# Altium PCB PCB22.PcbDoc (part 1 of 16) (continued)
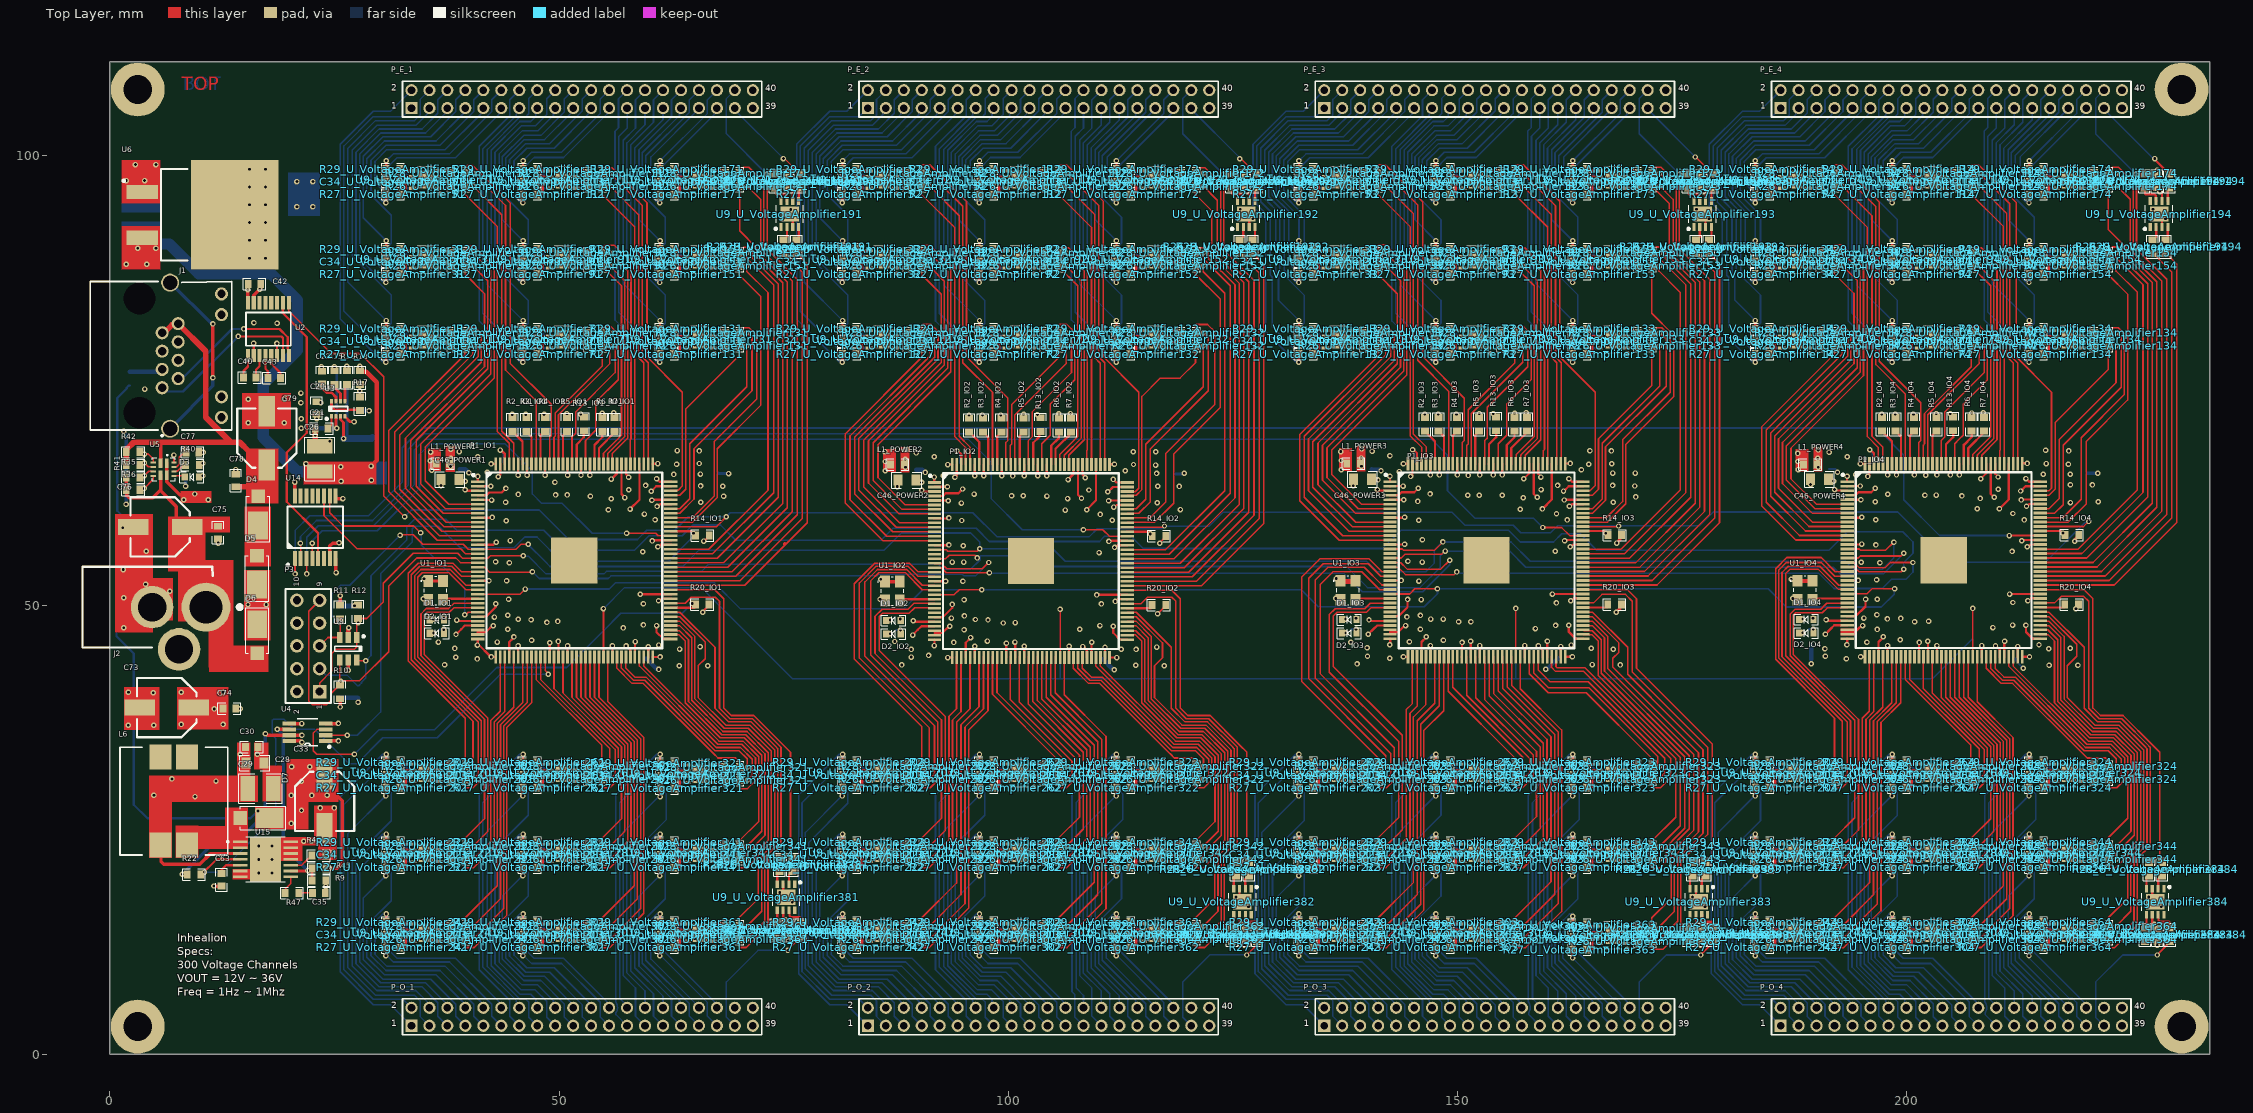
[diagram p0: Top Layer view]
## Design rules (kind name [scope] priority, off if disabled: settings) (continued)
RoomDefinition U_VoltageAmplifier212 [InComponentClass('U_VoltageAmplifier212')] p55: confinementstyle=ConfineIn formatcopy=TRUE lockcomponents=FALSE outline 91.218,33.67 80.55,33.67 80.55,28.59 91.218,28.59
RoomDefinition U_VoltageAmplifier182 [InComponentClass('U_VoltageAmplifier182')] p56: confinementstyle=ConfineIn formatcopy=TRUE lockcomponents=FALSE outline 121.698,99.71 111.03,99.71 111.03,94.63 121.698,94.63
RoomDefinition U_VoltageAmplifier162 [InComponentClass('U_VoltageAmplifier162')] p57: confinementstyle=ConfineIn formatcopy=TRUE lockcomponents=FALSE outline 121.698,90.82 111.03,90.82 111.03,85.74 121.698,85.74
RoomDefinition U_VoltageAmplifier142 [InComponentClass('U_VoltageAmplifier142')] p58: confinementstyle=ConfineIn formatcopy=TRUE lockcomponents=FALSE outline 121.698,81.93 111.03,81.93 111.03,76.85 121.698,76.85
RoomDefinition U_VoltageAmplifier122 [InComponentClass('U_VoltageAmplifier122')] p59: confinementstyle=ConfineIn formatcopy=TRUE lockcomponents=FALSE outline 106.458,99.71 95.79,99.71 95.79,94.63 106.458,94.63
RoomDefinition U_VoltageAmplifier102 [InComponentClass('U_VoltageAmplifier102')] p60: confinementstyle=ConfineIn formatcopy=TRUE lockcomponents=FALSE outline 106.458,90.82 95.79,90.82 95.79,85.74 106.458,85.74
RoomDefinition U_VoltageAmplifier82 [InComponentClass('U_VoltageAmplifier82')] p61: confinementstyle=ConfineIn formatcopy=TRUE lockcomponents=FALSE outline 106.458,81.93 95.79,81.93 95.79,76.85 106.458,76.85
RoomDefinition U_VoltageAmplifier62 [InComponentClass('U_VoltageAmplifier62')] p62: confinementstyle=ConfineIn formatcopy=TRUE lockcomponents=FALSE outline 91.218,99.71 80.55,99.71 80.55,94.63 91.218,94.63
RoomDefinition U_VoltageAmplifier42 [InComponentClass('U_VoltageAmplifier42')] p63: confinementstyle=ConfineIn formatcopy=TRUE lockcomponents=FALSE outline 91.218,90.82 80.55,90.82 80.55,85.74 91.218,85.74
RoomDefinition POWER4 [InComponentClass('POWER4')] p64: confinementstyle=ConfineIn formatcopy=TRUE lockcomponents=FALSE outline 188.5,42.306 221.52,42.306 221.52,67.96 188.5,67.96
RoomDefinition POWER3 [InComponentClass('POWER3')] p65: confinementstyle=ConfineIn formatcopy=TRUE lockcomponents=FALSE outline 137.7,42.306 170.72,42.306 170.72,67.96 137.7,67.96
RoomDefinition POWER1 [InComponentClass('POWER1')] p66: confinementstyle=ConfineIn formatcopy=TRUE lockcomponents=FALSE outline 36.1,42.306 69.12,42.306 69.12,67.96 36.1,67.96
RoomDefinition IO4 [InComponentClass('IO4')] p67: confinementstyle=ConfineIn formatcopy=TRUE lockcomponents=FALSE outline 186.468,43.322 219.742,43.322 219.742,71.77 186.468,71.77
RoomDefinition IO3 [InComponentClass('IO3')] p68: confinementstyle=ConfineIn formatcopy=TRUE lockcomponents=FALSE outline 135.668,43.322 168.942,43.322 168.942,71.77 135.668,71.77
RoomDefinition IO1 [InComponentClass('IO1')] p69: confinementstyle=ConfineIn formatcopy=TRUE lockcomponents=FALSE outline 34.068,43.322 67.342,43.322 67.342,71.516 34.068,71.516
RoomDefinition U_VoltageAmplifier321 [InComponentClass('U_VoltageAmplifier321')] p70: confinementstyle=ConfineIn formatcopy=FALSE lockcomponents=FALSE outline 70.898,33.67 60.23,33.67 60.23,28.59 70.898,28.59
RoomDefinition U_VoltageAmplifier331 [InComponentClass('U_VoltageAmplifier331')] p71: confinementstyle=ConfineIn formatcopy=FALSE lockcomponents=FALSE outline 70.898,33.67 60.23,33.67 60.23,28.59 70.898,28.59
RoomDefinition U_VoltageAmplifier231 [InComponentClass('U_VoltageAmplifier231')] p72: confinementstyle=ConfineIn formatcopy=FALSE lockcomponents=FALSE outline 40.418,24.78 29.75,24.78 29.75,19.7 40.418,19.7
RoomDefinition U_VoltageAmplifier381 [InComponentClass('U_VoltageAmplifier381')] p73: confinementstyle=ConfineIn formatcopy=FALSE lockcomponents=FALSE outline 72.93,22.748 72.93,12.08 78.01,12.08 78.01,22.748
RoomDefinition U_VoltageAmplifier361 [InComponentClass('U_VoltageAmplifier361')] p74: confinementstyle=ConfineIn formatcopy=FALSE lockcomponents=FALSE outline 70.898,15.89 60.23,15.89 60.23,10.81 70.898,10.81
RoomDefinition U_VoltageAmplifier341 [InComponentClass('U_VoltageAmplifier341')] p75: confinementstyle=ConfineIn formatcopy=FALSE lockcomponents=FALSE outline 70.898,24.78 60.23,24.78 60.23,19.7 70.898,19.7
RoomDefinition U_VoltageAmplifier301 [InComponentClass('U_VoltageAmplifier301')] p76: confinementstyle=ConfineIn formatcopy=FALSE lockcomponents=FALSE outline 55.658,15.89 44.99,15.89 44.99,10.81 55.658,10.81
RoomDefinition U_VoltageAmplifier281 [InComponentClass('U_VoltageAmplifier281')] p77: confinementstyle=ConfineIn formatcopy=FALSE lockcomponents=FALSE outline 55.658,24.78 44.99,24.78 44.99,19.7 55.658,19.7
RoomDefinition U_VoltageAmplifier241 [InComponentClass('U_VoltageAmplifier241')] p78: confinementstyle=ConfineIn formatcopy=FALSE lockcomponents=FALSE outline 40.418,15.89 29.75,15.89 29.75,10.81 40.418,10.81
RoomDefinition U_VoltageAmplifier221 [InComponentClass('U_VoltageAmplifier221')] p79: confinementstyle=ConfineIn formatcopy=FALSE lockcomponents=FALSE outline 40.418,24.78 29.75,24.78 29.75,19.7 40.418,19.7
RoomDefinition U_VoltageAmplifier201 [InComponentClass('U_VoltageAmplifier201')] p80: confinementstyle=ConfineIn formatcopy=FALSE lockcomponents=FALSE outline 40.418,33.67 29.75,33.67 29.75,28.59 40.418,28.59
RoomDefinition U_VoltageAmplifier371 [InComponentClass('U_VoltageAmplifier371')] p81: confinementstyle=ConfineIn formatcopy=FALSE lockcomponents=FALSE outline 70.898,15.89 60.23,15.89 60.23,10.81 70.898,10.81
RoomDefinition U_VoltageAmplifier351 [InComponentClass('U_VoltageAmplifier351')] p82: confinementstyle=ConfineIn formatcopy=FALSE lockcomponents=FALSE outline 70.898,24.78 60.23,24.78 60.23,19.7 70.898,19.7
RoomDefinition U_VoltageAmplifier311 [InComponentClass('U_VoltageAmplifier311')] p83: confinementstyle=ConfineIn formatcopy=FALSE lockcomponents=FALSE outline 55.658,15.89 44.99,15.89 44.99,10.81 55.658,10.81
RoomDefinition U_VoltageAmplifier291 [InComponentClass('U_VoltageAmplifier291')] p84: confinementstyle=ConfineIn formatcopy=FALSE lockcomponents=FALSE outline 55.658,24.78 44.99,24.78 44.99,19.7 55.658,19.7
RoomDefinition U_VoltageAmplifier271 [InComponentClass('U_VoltageAmplifier271')] p85: confinementstyle=ConfineIn formatcopy=FALSE lockcomponents=FALSE outline 55.658,33.67 44.99,33.67 44.99,28.59 55.658,28.59
RoomDefinition U_VoltageAmplifier251 [InComponentClass('U_VoltageAmplifier251')] p86: confinementstyle=ConfineIn formatcopy=FALSE lockcomponents=FALSE outline 40.418,15.89 29.75,15.89 29.75,10.81 40.418,10.81
RoomDefinition U_VoltageAmplifier211 [InComponentClass('U_VoltageAmplifier211')] p87: confinementstyle=ConfineIn formatcopy=FALSE lockcomponents=FALSE outline 40.418,33.67 29.75,33.67 29.75,28.59 40.418,28.59
RoomDefinition U_VoltageAmplifier81 [InComponentClass('U_VoltageAmplifier81')] p88: confinementstyle=ConfineIn formatcopy=FALSE lockcomponents=FALSE outline 55.658,81.93 44.99,81.93 44.99,76.85 55.658,76.85
RoomDefinition U_VoltageAmplifier101 [InComponentClass('U_VoltageAmplifier101')] p89: confinementstyle=ConfineIn formatcopy=FALSE lockcomponents=FALSE outline 55.658,90.82 44.99,90.82 44.99,85.74 55.658,85.74
RoomDefinition U_VoltageAmplifier141 [InComponentClass('U_VoltageAmplifier141')] p90: confinementstyle=ConfineIn formatcopy=FALSE lockcomponents=FALSE outline 70.898,81.93 60.23,81.93 60.23,76.85 70.898,76.85
RoomDefinition U_VoltageAmplifier161 [InComponentClass('U_VoltageAmplifier161')] p91: confinementstyle=ConfineIn formatcopy=FALSE lockcomponents=FALSE outline 70.898,90.82 60.23,90.82 60.23,85.74 70.898,85.74
RoomDefinition U_VoltageAmplifier181 [InComponentClass('U_VoltageAmplifier181')] p92: confinementstyle=ConfineIn formatcopy=FALSE lockcomponents=FALSE outline 70.898,99.71 60.23,99.71 60.23,94.63 70.898,94.63
RoomDefinition U_VoltageAmplifier21 [InComponentClass('U_VoltageAmplifier21')] p93: confinementstyle=ConfineIn formatcopy=FALSE lockcomponents=FALSE outline 40.418,81.93 29.75,81.93 29.75,76.85 40.418,76.85
RoomDefinition U_VoltageAmplifier41 [InComponentClass('U_VoltageAmplifier41')] p94: confinementstyle=ConfineIn formatcopy=FALSE lockcomponents=FALSE outline 40.418,90.82 29.75,90.82 29.75,85.74 40.418,85.74
RoomDefinition U_VoltageAmplifier61 [InComponentClass('U_VoltageAmplifier61')] p95: confinementstyle=ConfineIn formatcopy=FALSE lockcomponents=FALSE outline 40.418,99.71 29.75,99.71 29.75,94.63 40.418,94.63
RoomDefinition U_VoltageAmplifier71 [InComponentClass('U_VoltageAmplifier71')] p96: confinementstyle=ConfineIn formatcopy=FALSE lockcomponents=FALSE outline 55.658,81.93 44.99,81.93 44.99,76.85 55.658,76.85
RoomDefinition U_VoltageAmplifier111 [InComponentClass('U_VoltageAmplifier111')] p97: confinementstyle=ConfineIn formatcopy=FALSE lockcomponents=FALSE outline 55.658,99.71 44.99,99.71 44.99,94.63 55.658,94.63
RoomDefinition U_VoltageAmplifier91 [InComponentClass('U_VoltageAmplifier91')] p98: confinementstyle=ConfineIn formatcopy=FALSE lockcomponents=FALSE outline 55.658,90.82 44.99,90.82 44.99,85.74 55.658,85.74
RoomDefinition U_VoltageAmplifier131 [InComponentClass('U_VoltageAmplifier131')] p99: confinementstyle=ConfineIn formatcopy=FALSE lockcomponents=FALSE outline 70.898,81.93 60.23,81.93 60.23,76.85 70.898,76.85
RoomDefinition U_VoltageAmplifier151 [InComponentClass('U_VoltageAmplifier151')] p100: confinementstyle=ConfineIn formatcopy=FALSE lockcomponents=FALSE outline 70.898,90.82 60.23,90.82 60.23,85.74 70.898,85.74
RoomDefinition U_VoltageAmplifier171 [InComponentClass('U_VoltageAmplifier171')] p101: confinementstyle=ConfineIn formatcopy=FALSE lockcomponents=FALSE outline 70.898,99.71 60.23,99.71 60.23,94.63 70.898,94.63
RoomDefinition U_VoltageAmplifier191 [InComponentClass('U_VoltageAmplifier191')] p102: confinementstyle=ConfineIn formatcopy=FALSE lockcomponents=FALSE outline 78.01,88.28 78.01,98.948 72.93,98.948 72.93,88.28
RoomDefinition U_VoltageAmplifier11 [InComponentClass('U_VoltageAmplifier11')] p103: confinementstyle=ConfineIn formatcopy=FALSE lockcomponents=FALSE outline 40.418,81.93 29.75,81.93 29.75,76.85 40.418,76.85
RoomDefinition U_VoltageAmplifier31 [InComponentClass('U_VoltageAmplifier31')] p104: confinementstyle=ConfineIn formatcopy=FALSE lockcomponents=FALSE outline 40.418,90.82 29.75,90.82 29.75,85.74 40.418,85.74
RoomDefinition U_VoltageAmplifier51 [InComponentClass('U_VoltageAmplifier51')] p105: confinementstyle=ConfineIn formatcopy=FALSE lockcomponents=FALSE outline 40.418,99.71 29.75,99.71 29.75,94.63 40.418,94.63
RoomDefinition U_VoltageAmplifier14 [InComponentClass('U_VoltageAmplifier14')] p106: confinementstyle=ConfineIn formatcopy=FALSE lockcomponents=FALSE outline 192.818,81.93 182.15,81.93 182.15,76.85 192.818,76.85
RoomDefinition U_VoltageAmplifier13 [InComponentClass('U_VoltageAmplifier13')] p107: confinementstyle=ConfineIn formatcopy=FALSE lockcomponents=FALSE outline 142.018,81.93 131.35,81.93 131.35,76.85 142.018,76.85
RoomDefinition U_VoltageAmplifier12 [InComponentClass('U_VoltageAmplifier12')] p108: confinementstyle=ConfineIn formatcopy=FALSE lockcomponents=FALSE outline 91.218,81.93 80.55,81.93 80.55,76.85 91.218,76.85
RoomDefinition U_VoltageAmplifier384 [InComponentClass('U_VoltageAmplifier384')] p109: confinementstyle=ConfineIn formatcopy=FALSE lockcomponents=FALSE outline 225.33,22.24 225.33,11.572 230.41,11.572 230.41,22.24
RoomDefinition U_VoltageAmplifier383 [InComponentClass('U_VoltageAmplifier383')] p110: confinementstyle=ConfineIn formatcopy=FALSE lockcomponents=FALSE outline 174.53,22.24 174.53,11.572 179.61,11.572 179.61,22.24
RoomDefinition U_VoltageAmplifier382 [InComponentClass('U_VoltageAmplifier382')] p111: confinementstyle=ConfineIn formatcopy=FALSE lockcomponents=FALSE outline 123.73,22.24 123.73,11.572 128.81,11.572 128.81,22.24
RoomDefinition U_VoltageAmplifier364 [InComponentClass('U_VoltageAmplifier364')] p112: confinementstyle=ConfineIn formatcopy=FALSE lockcomponents=FALSE outline 223.298,15.89 212.63,15.89 212.63,10.81 223.298,10.81
RoomDefinition U_VoltageAmplifier363 [InComponentClass('U_VoltageAmplifier363')] p113: confinementstyle=ConfineIn formatcopy=FALSE lockcomponents=FALSE outline 172.498,15.636 161.83,15.636 161.83,10.556 172.498,10.556
RoomDefinition U_VoltageAmplifier362 [InComponentClass('U_VoltageAmplifier362')] p114: confinementstyle=ConfineIn formatcopy=FALSE lockcomponents=FALSE outline 121.698,15.89 111.03,15.89 111.03,10.81 121.698,10.81
RoomDefinition U_VoltageAmplifier344 [InComponentClass('U_VoltageAmplifier344')] p115: confinementstyle=ConfineIn formatcopy=FALSE lockcomponents=FALSE outline 223.298,24.78 212.63,24.78 212.63,19.7 223.298,19.7
RoomDefinition U_VoltageAmplifier343 [InComponentClass('U_VoltageAmplifier343')] p116: confinementstyle=ConfineIn formatcopy=FALSE lockcomponents=FALSE outline 172.498,24.78 161.83,24.78 161.83,19.7 172.498,19.7
RoomDefinition U_VoltageAmplifier342 [InComponentClass('U_VoltageAmplifier342')] p117: confinementstyle=ConfineIn formatcopy=FALSE lockcomponents=FALSE outline 121.698,24.78 111.03,24.78 111.03,19.7 121.698,19.7
RoomDefinition U_VoltageAmplifier324 [InComponentClass('U_VoltageAmplifier324')] p118: confinementstyle=ConfineIn formatcopy=FALSE lockcomponents=FALSE outline 223.298,33.67 212.63,33.67 212.63,28.59 223.298,28.59
RoomDefinition U_VoltageAmplifier323 [InComponentClass('U_VoltageAmplifier323')] p119: confinementstyle=ConfineIn formatcopy=FALSE lockcomponents=FALSE outline 172.498,33.67 161.83,33.67 161.83,28.59 172.498,28.59
RoomDefinition U_VoltageAmplifier322 [InComponentClass('U_VoltageAmplifier322')] p120: confinementstyle=ConfineIn formatcopy=FALSE lockcomponents=FALSE outline 121.698,33.67 111.03,33.67 111.03,28.59 121.698,28.59
RoomDefinition U_VoltageAmplifier304 [InComponentClass('U_VoltageAmplifier304')] p121: confinementstyle=ConfineIn formatcopy=FALSE lockcomponents=FALSE outline 208.058,15.89 197.39,15.89 197.39,10.81 208.058,10.81
RoomDefinition U_VoltageAmplifier303 [InComponentClass('U_VoltageAmplifier303')] p122: confinementstyle=ConfineIn formatcopy=FALSE lockcomponents=FALSE outline 157.258,15.89 146.59,15.89 146.59,10.81 157.258,10.81
RoomDefinition U_VoltageAmplifier302 [InComponentClass('U_VoltageAmplifier302')] p123: confinementstyle=ConfineIn formatcopy=FALSE lockcomponents=FALSE outline 106.458,15.89 95.79,15.89 95.79,10.81 106.458,10.81
RoomDefinition U_VoltageAmplifier284 [InComponentClass('U_VoltageAmplifier284')] p124: confinementstyle=ConfineIn formatcopy=FALSE lockcomponents=FALSE outline 208.058,24.78 197.39,24.78 197.39,19.7 208.058,19.7
RoomDefinition U_VoltageAmplifier283 [InComponentClass('U_VoltageAmplifier283')] p125: confinementstyle=ConfineIn formatcopy=FALSE lockcomponents=FALSE outline 157.258,24.78 146.59,24.78 146.59,19.7 157.258,19.7
RoomDefinition U_VoltageAmplifier282 [InComponentClass('U_VoltageAmplifier282')] p126: confinementstyle=ConfineIn formatcopy=FALSE lockcomponents=FALSE outline 106.458,24.78 95.79,24.78 95.79,19.7 106.458,19.7
RoomDefinition U_VoltageAmplifier264 [InComponentClass('U_VoltageAmplifier264')] p127: confinementstyle=ConfineIn formatcopy=FALSE lockcomponents=FALSE outline 208.058,33.67 197.39,33.67 197.39,28.59 208.058,28.59
RoomDefinition U_VoltageAmplifier263 [InComponentClass('U_VoltageAmplifier263')] p128: confinementstyle=ConfineIn formatcopy=FALSE lockcomponents=FALSE outline 157.258,33.67 146.59,33.67 146.59,28.59 157.258,28.59
RoomDefinition U_VoltageAmplifier262 [InComponentClass('U_VoltageAmplifier262')] p129: confinementstyle=ConfineIn formatcopy=FALSE lockcomponents=FALSE outline 106.458,33.67 95.79,33.67 95.79,28.59 106.458,28.59
RoomDefinition U_VoltageAmplifier243 [InComponentClass('U_VoltageAmplifier243')] p130: confinementstyle=ConfineIn formatcopy=FALSE lockcomponents=FALSE outline 142.018,15.89 131.35,15.89 131.35,10.81 142.018,10.81
RoomDefinition U_VoltageAmplifier242 [InComponentClass('U_VoltageAmplifier242')] p131: confinementstyle=ConfineIn formatcopy=FALSE lockcomponents=FALSE outline 91.218,15.89 80.55,15.89 80.55,10.81 91.218,10.81
RoomDefinition U_VoltageAmplifier224 [InComponentClass('U_VoltageAmplifier224')] p132: confinementstyle=ConfineIn formatcopy=FALSE lockcomponents=FALSE outline 192.818,24.78 182.15,24.78 182.15,19.7 192.818,19.7
RoomDefinition U_VoltageAmplifier223 [InComponentClass('U_VoltageAmplifier223')] p133: confinementstyle=ConfineIn formatcopy=FALSE lockcomponents=FALSE outline 142.018,24.78 131.35,24.78 131.35,19.7 142.018,19.7
RoomDefinition U_VoltageAmplifier222 [InComponentClass('U_VoltageAmplifier222')] p134: confinementstyle=ConfineIn formatcopy=FALSE lockcomponents=FALSE outline 91.218,24.78 80.55,24.78 80.55,19.7 91.218,19.7
RoomDefinition U_VoltageAmplifier204 [InComponentClass('U_VoltageAmplifier204')] p135: confinementstyle=ConfineIn formatcopy=FALSE lockcomponents=FALSE outline 192.818,33.67 182.15,33.67 182.15,28.59 192.818,28.59
RoomDefinition U_VoltageAmplifier202 [InComponentClass('U_VoltageAmplifier202')] p136: confinementstyle=ConfineIn formatcopy=FALSE lockcomponents=FALSE outline 91.218,33.67 80.55,33.67 80.55,28.59 91.218,28.59
RoomDefinition U_VoltageAmplifier194 [InComponentClass('U_VoltageAmplifier194')] p137: confinementstyle=ConfineIn formatcopy=FALSE lockcomponents=FALSE outline 230.41,88.28 230.41,98.948 225.33,98.948 225.33,88.28
RoomDefinition U_VoltageAmplifier193 [InComponentClass('U_VoltageAmplifier193')] p138: confinementstyle=ConfineIn formatcopy=FALSE lockcomponents=FALSE outline 179.61,88.28 179.61,98.948 174.53,98.948 174.53,88.28
RoomDefinition U_VoltageAmplifier174 [InComponentClass('U_VoltageAmplifier174')] p139: confinementstyle=ConfineIn formatcopy=FALSE lockcomponents=FALSE outline 223.298,99.71 212.63,99.71 212.63,94.63 223.298,94.63
RoomDefinition U_VoltageAmplifier173 [InComponentClass('U_VoltageAmplifier173')] p140: confinementstyle=ConfineIn formatcopy=FALSE lockcomponents=FALSE outline 172.498,99.71 161.83,99.71 161.83,94.63 172.498,94.63
RoomDefinition U_VoltageAmplifier172 [InComponentClass('U_VoltageAmplifier172')] p141: confinementstyle=ConfineIn formatcopy=FALSE lockcomponents=FALSE outline 121.698,99.71 111.03,99.71 111.03,94.63 121.698,94.63
RoomDefinition U_VoltageAmplifier154 [InComponentClass('U_VoltageAmplifier154')] p142: confinementstyle=ConfineIn formatcopy=FALSE lockcomponents=FALSE outline 223.298,90.82 212.63,90.82 212.63,85.74 223.298,85.74
RoomDefinition U_VoltageAmplifier153 [InComponentClass('U_VoltageAmplifier153')] p143: confinementstyle=ConfineIn formatcopy=FALSE lockcomponents=FALSE outline 172.498,90.82 161.83,90.82 161.83,85.74 172.498,85.74
RoomDefinition U_VoltageAmplifier152 [InComponentClass('U_VoltageAmplifier152')] p144: confinementstyle=ConfineIn formatcopy=FALSE lockcomponents=FALSE outline 121.698,90.82 111.03,90.82 111.03,85.74 121.698,85.74
RoomDefinition U_VoltageAmplifier134 [InComponentClass('U_VoltageAmplifier134')] p145: confinementstyle=ConfineIn formatcopy=FALSE lockcomponents=FALSE outline 223.298,81.93 212.63,81.93 212.63,76.85 223.298,76.85
RoomDefinition U_VoltageAmplifier132 [InComponentClass('U_VoltageAmplifier132')] p146: confinementstyle=ConfineIn formatcopy=FALSE lockcomponents=FALSE outline 121.698,81.93 111.03,81.93 111.03,76.85 121.698,76.85
RoomDefinition U_VoltageAmplifier114 [InComponentClass('U_VoltageAmplifier114')] p147: confinementstyle=ConfineIn formatcopy=FALSE lockcomponents=FALSE outline 208.058,99.71 197.39,99.71 197.39,94.63 208.058,94.63
RoomDefinition U_VoltageAmplifier113 [InComponentClass('U_VoltageAmplifier113')] p148: confinementstyle=ConfineIn formatcopy=FALSE lockcomponents=FALSE outline 157.258,99.71 146.59,99.71 146.59,94.63 157.258,94.63
RoomDefinition U_VoltageAmplifier112 [InComponentClass('U_VoltageAmplifier112')] p149: confinementstyle=ConfineIn formatcopy=FALSE lockcomponents=FALSE outline 106.458,99.71 95.79,99.71 95.79,94.63 106.458,94.63
RoomDefinition U_VoltageAmplifier94 [InComponentClass('U_VoltageAmplifier94')] p150: confinementstyle=ConfineIn formatcopy=FALSE lockcomponents=FALSE outline 208.058,90.82 197.39,90.82 197.39,85.74 208.058,85.74
RoomDefinition U_VoltageAmplifier93 [InComponentClass('U_VoltageAmplifier93')] p151: confinementstyle=ConfineIn formatcopy=FALSE lockcomponents=FALSE outline 157.258,90.82 146.59,90.82 146.59,85.74 157.258,85.74
RoomDefinition U_VoltageAmplifier92 [InComponentClass('U_VoltageAmplifier92')] p152: confinementstyle=ConfineIn formatcopy=FALSE lockcomponents=FALSE outline 106.458,90.82 95.79,90.82 95.79,85.74 106.458,85.74
RoomDefinition U_VoltageAmplifier74 [InComponentClass('U_VoltageAmplifier74')] p153: confinementstyle=ConfineIn formatcopy=FALSE lockcomponents=FALSE outline 208.058,81.93 197.39,81.93 197.39,76.85 208.058,76.85
RoomDefinition U_VoltageAmplifier72 [InComponentClass('U_VoltageAmplifier72')] p154: confinementstyle=ConfineIn formatcopy=FALSE lockcomponents=FALSE outline 106.458,81.93 95.79,81.93 95.79,76.85 106.458,76.85
RoomDefinition U_VoltageAmplifier54 [InComponentClass('U_VoltageAmplifier54')] p155: confinementstyle=ConfineIn formatcopy=FALSE lockcomponents=FALSE outline 192.818,99.71 182.15,99.71 182.15,94.63 192.818,94.63
RoomDefinition U_VoltageAmplifier53 [InComponentClass('U_VoltageAmplifier53')] p156: confinementstyle=ConfineIn formatcopy=FALSE lockcomponents=FALSE outline 142.018,99.71 131.35,99.71 131.35,94.63 142.018,94.63
RoomDefinition U_VoltageAmplifier52 [InComponentClass('U_VoltageAmplifier52')] p157: confinementstyle=ConfineIn formatcopy=FALSE lockcomponents=FALSE outline 91.218,99.71 80.55,99.71 80.55,94.63 91.218,94.63
RoomDefinition U_VoltageAmplifier34 [InComponentClass('U_VoltageAmplifier34')] p158: confinementstyle=ConfineIn formatcopy=FALSE lockcomponents=FALSE outline 192.818,90.82 182.15,90.82 182.15,85.74 192.818,85.74
RoomDefinition U_VoltageAmplifier33 [InComponentClass('U_VoltageAmplifier33')] p159: confinementstyle=ConfineIn formatcopy=FALSE lockcomponents=FALSE outline 142.018,90.82 131.35,90.82 131.35,85.74 142.018,85.74
RoomDefinition U_VoltageAmplifier32 [InComponentClass('U_VoltageAmplifier32')] p160: confinementstyle=ConfineIn formatcopy=FALSE lockcomponents=FALSE outline 91.218,90.82 80.55,90.82 80.55,85.74 91.218,85.74
RoutingVias [All] p1: holewidth=0.305 width=0.61 viastyle="Through Hole" minholewidth=0.305 minwidth=0.61 maxholewidth=0.711 maxwidth=1.27
SilkToSilkClearance [All] p1: silktosilkclearance=0
SilkToSolderMaskClearance [IsPad] p1: minsilkscreentomaskgap=0 clearancetoexposedcopper=TRUE
SolderMaskExpansion [All] p1: expansion=0.102 istentingtop=FALSE
Width [All] p1: maxlimit=1.27 minlimit=0.178 preferedwidth=0.178 minimp=50.000000 maximp=50.000000 favimp=50.000000
23 further rules are at their usual default settings.

## Classes and differential pairs
component class U_VoltageAmplifier384: C34_U_VoltageAmplifier384 R26_U_VoltageAmplifier384 R27_U_VoltageAmplifier384 R28_U_VoltageAmplifier384 R29_U_VoltageAmplifier384 U9_U_VoltageAmplifier384
component class U_VoltageAmplifier383: C34_U_VoltageAmplifier383 R26_U_VoltageAmplifier383 R27_U_VoltageAmplifier383 R28_U_VoltageAmplifier383 R29_U_VoltageAmplifier383 U9_U_VoltageAmplifier383
component class U_VoltageAmplifier382: C34_U_VoltageAmplifier382 R26_U_VoltageAmplifier382 R27_U_VoltageAmplifier382 R28_U_VoltageAmplifier382 R29_U_VoltageAmplifier382 U9_U_VoltageAmplifier382
component class U_VoltageAmplifier381: C34_U_VoltageAmplifier381 R26_U_VoltageAmplifier381 R27_U_VoltageAmplifier381 R28_U_VoltageAmplifier381 R29_U_VoltageAmplifier381 U9_U_VoltageAmplifier381
component class U_VoltageAmplifier374: C34_U_VoltageAmplifier374 R26_U_VoltageAmplifier374 R27_U_VoltageAmplifier374 R28_U_VoltageAmplifier374 R29_U_VoltageAmplifier374 U9_U_VoltageAmplifier374
component class U_VoltageAmplifier373: C34_U_VoltageAmplifier373 R26_U_VoltageAmplifier373 R27_U_VoltageAmplifier373 R28_U_VoltageAmplifier373 R29_U_VoltageAmplifier373 U9_U_VoltageAmplifier373
component class U_VoltageAmplifier372: C34_U_VoltageAmplifier372 R26_U_VoltageAmplifier372 R27_U_VoltageAmplifier372 R28_U_VoltageAmplifier372 R29_U_VoltageAmplifier372 U9_U_VoltageAmplifier372
component class U_VoltageAmplifier371: C34_U_VoltageAmplifier371 R26_U_VoltageAmplifier371 R27_U_VoltageAmplifier371 R28_U_VoltageAmplifier371 R29_U_VoltageAmplifier371 U9_U_VoltageAmplifier371
component class U_VoltageAmplifier364: C34_U_VoltageAmplifier364 R26_U_VoltageAmplifier364 R27_U_VoltageAmplifier364 R28_U_VoltageAmplifier364 R29_U_VoltageAmplifier364 U9_U_VoltageAmplifier364
component class U_VoltageAmplifier363: C34_U_VoltageAmplifier363 R26_U_VoltageAmplifier363 R27_U_VoltageAmplifier363 R28_U_VoltageAmplifier363 R29_U_VoltageAmplifier363 U9_U_VoltageAmplifier363
component class U_VoltageAmplifier362: C34_U_VoltageAmplifier362 R26_U_VoltageAmplifier362 R27_U_VoltageAmplifier362 R28_U_VoltageAmplifier362 R29_U_VoltageAmplifier362 U9_U_VoltageAmplifier362
component class U_VoltageAmplifier361: C34_U_VoltageAmplifier361 R26_U_VoltageAmplifier361 R27_U_VoltageAmplifier361 R28_U_VoltageAmplifier361 R29_U_VoltageAmplifier361 U9_U_VoltageAmplifier361
component class U_VoltageAmplifier354: C34_U_VoltageAmplifier354 R26_U_VoltageAmplifier354 R27_U_VoltageAmplifier354 R28_U_VoltageAmplifier354 R29_U_VoltageAmplifier354 U9_U_VoltageAmplifier354
component class U_VoltageAmplifier353: C34_U_VoltageAmplifier353 R26_U_VoltageAmplifier353 R27_U_VoltageAmplifier353 R28_U_VoltageAmplifier353 R29_U_VoltageAmplifier353 U9_U_VoltageAmplifier353
component class U_VoltageAmplifier352: C34_U_VoltageAmplifier352 R26_U_VoltageAmplifier352 R27_U_VoltageAmplifier352 R28_U_VoltageAmplifier352 R29_U_VoltageAmplifier352 U9_U_VoltageAmplifier352
component class U_VoltageAmplifier351: C34_U_VoltageAmplifier351 R26_U_VoltageAmplifier351 R27_U_VoltageAmplifier351 R28_U_VoltageAmplifier351 R29_U_VoltageAmplifier351 U9_U_VoltageAmplifier351
component class U_VoltageAmplifier344: C34_U_VoltageAmplifier344 R26_U_VoltageAmplifier344 R27_U_VoltageAmplifier344 R28_U_VoltageAmplifier344 R29_U_VoltageAmplifier344 U9_U_VoltageAmplifier344
component class U_VoltageAmplifier343: C34_U_VoltageAmplifier343 R26_U_VoltageAmplifier343 R27_U_VoltageAmplifier343 R28_U_VoltageAmplifier343 R29_U_VoltageAmplifier343 U9_U_VoltageAmplifier343
component class U_VoltageAmplifier342: C34_U_VoltageAmplifier342 R26_U_VoltageAmplifier342 R27_U_VoltageAmplifier342 R28_U_VoltageAmplifier342 R29_U_VoltageAmplifier342 U9_U_VoltageAmplifier342
component class U_VoltageAmplifier341: C34_U_VoltageAmplifier341 R26_U_VoltageAmplifier341 R27_U_VoltageAmplifier341 R28_U_VoltageAmplifier341 R29_U_VoltageAmplifier341 U9_U_VoltageAmplifier341
component class U_VoltageAmplifier334: C34_U_VoltageAmplifier334 R26_U_VoltageAmplifier334 R27_U_VoltageAmplifier334 R28_U_VoltageAmplifier334 R29_U_VoltageAmplifier334 U9_U_VoltageAmplifier334
component class U_VoltageAmplifier333: C34_U_VoltageAmplifier333 R26_U_VoltageAmplifier333 R27_U_VoltageAmplifier333 R28_U_VoltageAmplifier333 R29_U_VoltageAmplifier333 U9_U_VoltageAmplifier333
component class U_VoltageAmplifier332: C34_U_VoltageAmplifier332 R26_U_VoltageAmplifier332 R27_U_VoltageAmplifier332 R28_U_VoltageAmplifier332 R29_U_VoltageAmplifier332 U9_U_VoltageAmplifier332
component class U_VoltageAmplifier331: C34_U_VoltageAmplifier331 R26_U_VoltageAmplifier331 R27_U_VoltageAmplifier331 R28_U_VoltageAmplifier331 R29_U_VoltageAmplifier331 U9_U_VoltageAmplifier331
component class U_VoltageAmplifier324: C34_U_VoltageAmplifier324 R26_U_VoltageAmplifier324 R27_U_VoltageAmplifier324 R28_U_VoltageAmplifier324 R29_U_VoltageAmplifier324 U9_U_VoltageAmplifier324
component class U_VoltageAmplifier323: C34_U_VoltageAmplifier323 R26_U_VoltageAmplifier323 R27_U_VoltageAmplifier323 R28_U_VoltageAmplifier323 R29_U_VoltageAmplifier323 U9_U_VoltageAmplifier323
component class U_VoltageAmplifier322: C34_U_VoltageAmplifier322 R26_U_VoltageAmplifier322 R27_U_VoltageAmplifier322 R28_U_VoltageAmplifier322 R29_U_VoltageAmplifier322 U9_U_VoltageAmplifier322
component class U_VoltageAmplifier321: C34_U_VoltageAmplifier321 R26_U_VoltageAmplifier321 R27_U_VoltageAmplifier321 R28_U_VoltageAmplifier321 R29_U_VoltageAmplifier321 U9_U_VoltageAmplifier321
component class U_VoltageAmplifier314: C34_U_VoltageAmplifier314 R26_U_VoltageAmplifier314 R27_U_VoltageAmplifier314 R28_U_VoltageAmplifier314 R29_U_VoltageAmplifier314 U9_U_VoltageAmplifier314
component class U_VoltageAmplifier313: C34_U_VoltageAmplifier313 R26_U_VoltageAmplifier313 R27_U_VoltageAmplifier313 R28_U_VoltageAmplifier313 R29_U_VoltageAmplifier313 U9_U_VoltageAmplifier313
component class U_VoltageAmplifier312: C34_U_VoltageAmplifier312 R26_U_VoltageAmplifier312 R27_U_VoltageAmplifier312 R28_U_VoltageAmplifier312 R29_U_VoltageAmplifier312 U9_U_VoltageAmplifier312
component class U_VoltageAmplifier311: C34_U_VoltageAmplifier311 R26_U_VoltageAmplifier311 R27_U_VoltageAmplifier311 R28_U_VoltageAmplifier311 R29_U_VoltageAmplifier311 U9_U_VoltageAmplifier311
component class U_VoltageAmplifier304: C34_U_VoltageAmplifier304 R26_U_VoltageAmplifier304 R27_U_VoltageAmplifier304 R28_U_VoltageAmplifier304 R29_U_VoltageAmplifier304 U9_U_VoltageAmplifier304
component class U_VoltageAmplifier303: C34_U_VoltageAmplifier303 R26_U_VoltageAmplifier303 R27_U_VoltageAmplifier303 R28_U_VoltageAmplifier303 R29_U_VoltageAmplifier303 U9_U_VoltageAmplifier303
component class U_VoltageAmplifier302: C34_U_VoltageAmplifier302 R26_U_VoltageAmplifier302 R27_U_VoltageAmplifier302 R28_U_VoltageAmplifier302 R29_U_VoltageAmplifier302 U9_U_VoltageAmplifier302
component class U_VoltageAmplifier301: C34_U_VoltageAmplifier301 R26_U_VoltageAmplifier301 R27_U_VoltageAmplifier301 R28_U_VoltageAmplifier301 R29_U_VoltageAmplifier301 U9_U_VoltageAmplifier301
component class U_VoltageAmplifier294: C34_U_VoltageAmplifier294 R26_U_VoltageAmplifier294 R27_U_VoltageAmplifier294 R28_U_VoltageAmplifier294 R29_U_VoltageAmplifier294 U9_U_VoltageAmplifier294
component class U_VoltageAmplifier293: C34_U_VoltageAmplifier293 R26_U_VoltageAmplifier293 R27_U_VoltageAmplifier293 R28_U_VoltageAmplifier293 R29_U_VoltageAmplifier293 U9_U_VoltageAmplifier293
component class U_VoltageAmplifier292: C34_U_VoltageAmplifier292 R26_U_VoltageAmplifier292 R27_U_VoltageAmplifier292 R28_U_VoltageAmplifier292 R29_U_VoltageAmplifier292 U9_U_VoltageAmplifier292
component class U_VoltageAmplifier291: C34_U_VoltageAmplifier291 R26_U_VoltageAmplifier291 R27_U_VoltageAmplifier291 R28_U_VoltageAmplifier291 R29_U_VoltageAmplifier291 U9_U_VoltageAmplifier291
component class U_VoltageAmplifier284: C34_U_VoltageAmplifier284 R26_U_VoltageAmplifier284 R27_U_VoltageAmplifier284 R28_U_VoltageAmplifier284 R29_U_VoltageAmplifier284 U9_U_VoltageAmplifier284
component class U_VoltageAmplifier283: C34_U_VoltageAmplifier283 R26_U_VoltageAmplifier283 R27_U_VoltageAmplifier283 R28_U_VoltageAmplifier283 R29_U_VoltageAmplifier283 U9_U_VoltageAmplifier283
component class U_VoltageAmplifier282: C34_U_VoltageAmplifier282 R26_U_VoltageAmplifier282 R27_U_VoltageAmplifier282 R28_U_VoltageAmplifier282 R29_U_VoltageAmplifier282 U9_U_VoltageAmplifier282
component class U_VoltageAmplifier281: C34_U_VoltageAmplifier281 R26_U_VoltageAmplifier281 R27_U_VoltageAmplifier281 R28_U_VoltageAmplifier281 R29_U_VoltageAmplifier281 U9_U_VoltageAmplifier281
component class U_VoltageAmplifier274: C34_U_VoltageAmplifier274 R26_U_VoltageAmplifier274 R27_U_VoltageAmplifier274 R28_U_VoltageAmplifier274 R29_U_VoltageAmplifier274 U9_U_VoltageAmplifier274
component class U_VoltageAmplifier273: C34_U_VoltageAmplifier273 R26_U_VoltageAmplifier273 R27_U_VoltageAmplifier273 R28_U_VoltageAmplifier273 R29_U_VoltageAmplifier273 U9_U_VoltageAmplifier273
component class U_VoltageAmplifier272: C34_U_VoltageAmplifier272 R26_U_VoltageAmplifier272 R27_U_VoltageAmplifier272 R28_U_VoltageAmplifier272 R29_U_VoltageAmplifier272 U9_U_VoltageAmplifier272
component class U_VoltageAmplifier271: C34_U_VoltageAmplifier271 R26_U_VoltageAmplifier271 R27_U_VoltageAmplifier271 R28_U_VoltageAmplifier271 R29_U_VoltageAmplifier271 U9_U_VoltageAmplifier271
component class U_VoltageAmplifier264: C34_U_VoltageAmplifier264 R26_U_VoltageAmplifier264 R27_U_VoltageAmplifier264 R28_U_VoltageAmplifier264 R29_U_VoltageAmplifier264 U9_U_VoltageAmplifier264
component class U_VoltageAmplifier263: C34_U_VoltageAmplifier263 R26_U_VoltageAmplifier263 R27_U_VoltageAmplifier263 R28_U_VoltageAmplifier263 R29_U_VoltageAmplifier263 U9_U_VoltageAmplifier263
component class U_VoltageAmplifier262: C34_U_VoltageAmplifier262 R26_U_VoltageAmplifier262 R27_U_VoltageAmplifier262 R28_U_VoltageAmplifier262 R29_U_VoltageAmplifier262 U9_U_VoltageAmplifier262
component class U_VoltageAmplifier261: C34_U_VoltageAmplifier261 R26_U_VoltageAmplifier261 R27_U_VoltageAmplifier261 R28_U_VoltageAmplifier261 R29_U_VoltageAmplifier261 U9_U_VoltageAmplifier261
component class U_VoltageAmplifier254: C34_U_VoltageAmplifier254 R26_U_VoltageAmplifier254 R27_U_VoltageAmplifier254 R28_U_VoltageAmplifier254 R29_U_VoltageAmplifier254 U9_U_VoltageAmplifier254
component class U_VoltageAmplifier253: C34_U_VoltageAmplifier253 R26_U_VoltageAmplifier253 R27_U_VoltageAmplifier253 R28_U_VoltageAmplifier253 R29_U_VoltageAmplifier253 U9_U_VoltageAmplifier253
component class U_VoltageAmplifier252: C34_U_VoltageAmplifier252 R26_U_VoltageAmplifier252 R27_U_VoltageAmplifier252 R28_U_VoltageAmplifier252 R29_U_VoltageAmplifier252 U9_U_VoltageAmplifier252
component class U_VoltageAmplifier251: C34_U_VoltageAmplifier251 R26_U_VoltageAmplifier251 R27_U_VoltageAmplifier251 R28_U_VoltageAmplifier251 R29_U_VoltageAmplifier251 U9_U_VoltageAmplifier251
component class U_VoltageAmplifier244: C34_U_VoltageAmplifier244 R26_U_VoltageAmplifier244 R27_U_VoltageAmplifier244 R28_U_VoltageAmplifier244 R29_U_VoltageAmplifier244 U9_U_VoltageAmplifier244
component class U_VoltageAmplifier243: C34_U_VoltageAmplifier243 R26_U_VoltageAmplifier243 R27_U_VoltageAmplifier243 R28_U_VoltageAmplifier243 R29_U_VoltageAmplifier243 U9_U_VoltageAmplifier243
component class U_VoltageAmplifier242: C34_U_VoltageAmplifier242 R26_U_VoltageAmplifier242 R27_U_VoltageAmplifier242 R28_U_VoltageAmplifier242 R29_U_VoltageAmplifier242 U9_U_VoltageAmplifier242
component class U_VoltageAmplifier241: C34_U_VoltageAmplifier241 R26_U_VoltageAmplifier241 R27_U_VoltageAmplifier241 R28_U_VoltageAmplifier241 R29_U_VoltageAmplifier241 U9_U_VoltageAmplifier241
component class U_VoltageAmplifier234: C34_U_VoltageAmplifier234 R26_U_VoltageAmplifier234 R27_U_VoltageAmplifier234 R28_U_VoltageAmplifier234 R29_U_VoltageAmplifier234 U9_U_VoltageAmplifier234
component class U_VoltageAmplifier233: C34_U_VoltageAmplifier233 R26_U_VoltageAmplifier233 R27_U_VoltageAmplifier233 R28_U_VoltageAmplifier233 R29_U_VoltageAmplifier233 U9_U_VoltageAmplifier233
component class U_VoltageAmplifier232: C34_U_VoltageAmplifier232 R26_U_VoltageAmplifier232 R27_U_VoltageAmplifier232 R28_U_VoltageAmplifier232 R29_U_VoltageAmplifier232 U9_U_VoltageAmplifier232
component class U_VoltageAmplifier231: C34_U_VoltageAmplifier231 R26_U_VoltageAmplifier231 R27_U_VoltageAmplifier231 R28_U_VoltageAmplifier231 R29_U_VoltageAmplifier231 U9_U_VoltageAmplifier231
component class U_VoltageAmplifier224: C34_U_VoltageAmplifier224 R26_U_VoltageAmplifier224 R27_U_VoltageAmplifier224 R28_U_VoltageAmplifier224 R29_U_VoltageAmplifier224 U9_U_VoltageAmplifier224
component class U_VoltageAmplifier223: C34_U_VoltageAmplifier223 R26_U_VoltageAmplifier223 R27_U_VoltageAmplifier223 R28_U_VoltageAmplifier223 R29_U_VoltageAmplifier223 U9_U_VoltageAmplifier223
component class U_VoltageAmplifier222: C34_U_VoltageAmplifier222 R26_U_VoltageAmplifier222 R27_U_VoltageAmplifier222 R28_U_VoltageAmplifier222 R29_U_VoltageAmplifier222 U9_U_VoltageAmplifier222
component class U_VoltageAmplifier221: C34_U_VoltageAmplifier221 R26_U_VoltageAmplifier221 R27_U_VoltageAmplifier221 R28_U_VoltageAmplifier221 R29_U_VoltageAmplifier221 U9_U_VoltageAmplifier221
component class U_VoltageAmplifier214: C34_U_VoltageAmplifier214 R26_U_VoltageAmplifier214 R27_U_VoltageAmplifier214 R28_U_VoltageAmplifier214 R29_U_VoltageAmplifier214 U9_U_VoltageAmplifier214
component class U_VoltageAmplifier213: C34_U_VoltageAmplifier213 R26_U_VoltageAmplifier213 R27_U_VoltageAmplifier213 R28_U_VoltageAmplifier213 R29_U_VoltageAmplifier213 U9_U_VoltageAmplifier213
component class U_VoltageAmplifier212: C34_U_VoltageAmplifier212 R26_U_VoltageAmplifier212 R27_U_VoltageAmplifier212 R28_U_VoltageAmplifier212 R29_U_VoltageAmplifier212 U9_U_VoltageAmplifier212